# Altium PCB Fuel_Dispenser_Controller_V1.0.0.PcbDoc (part 1 of 4) (continued)
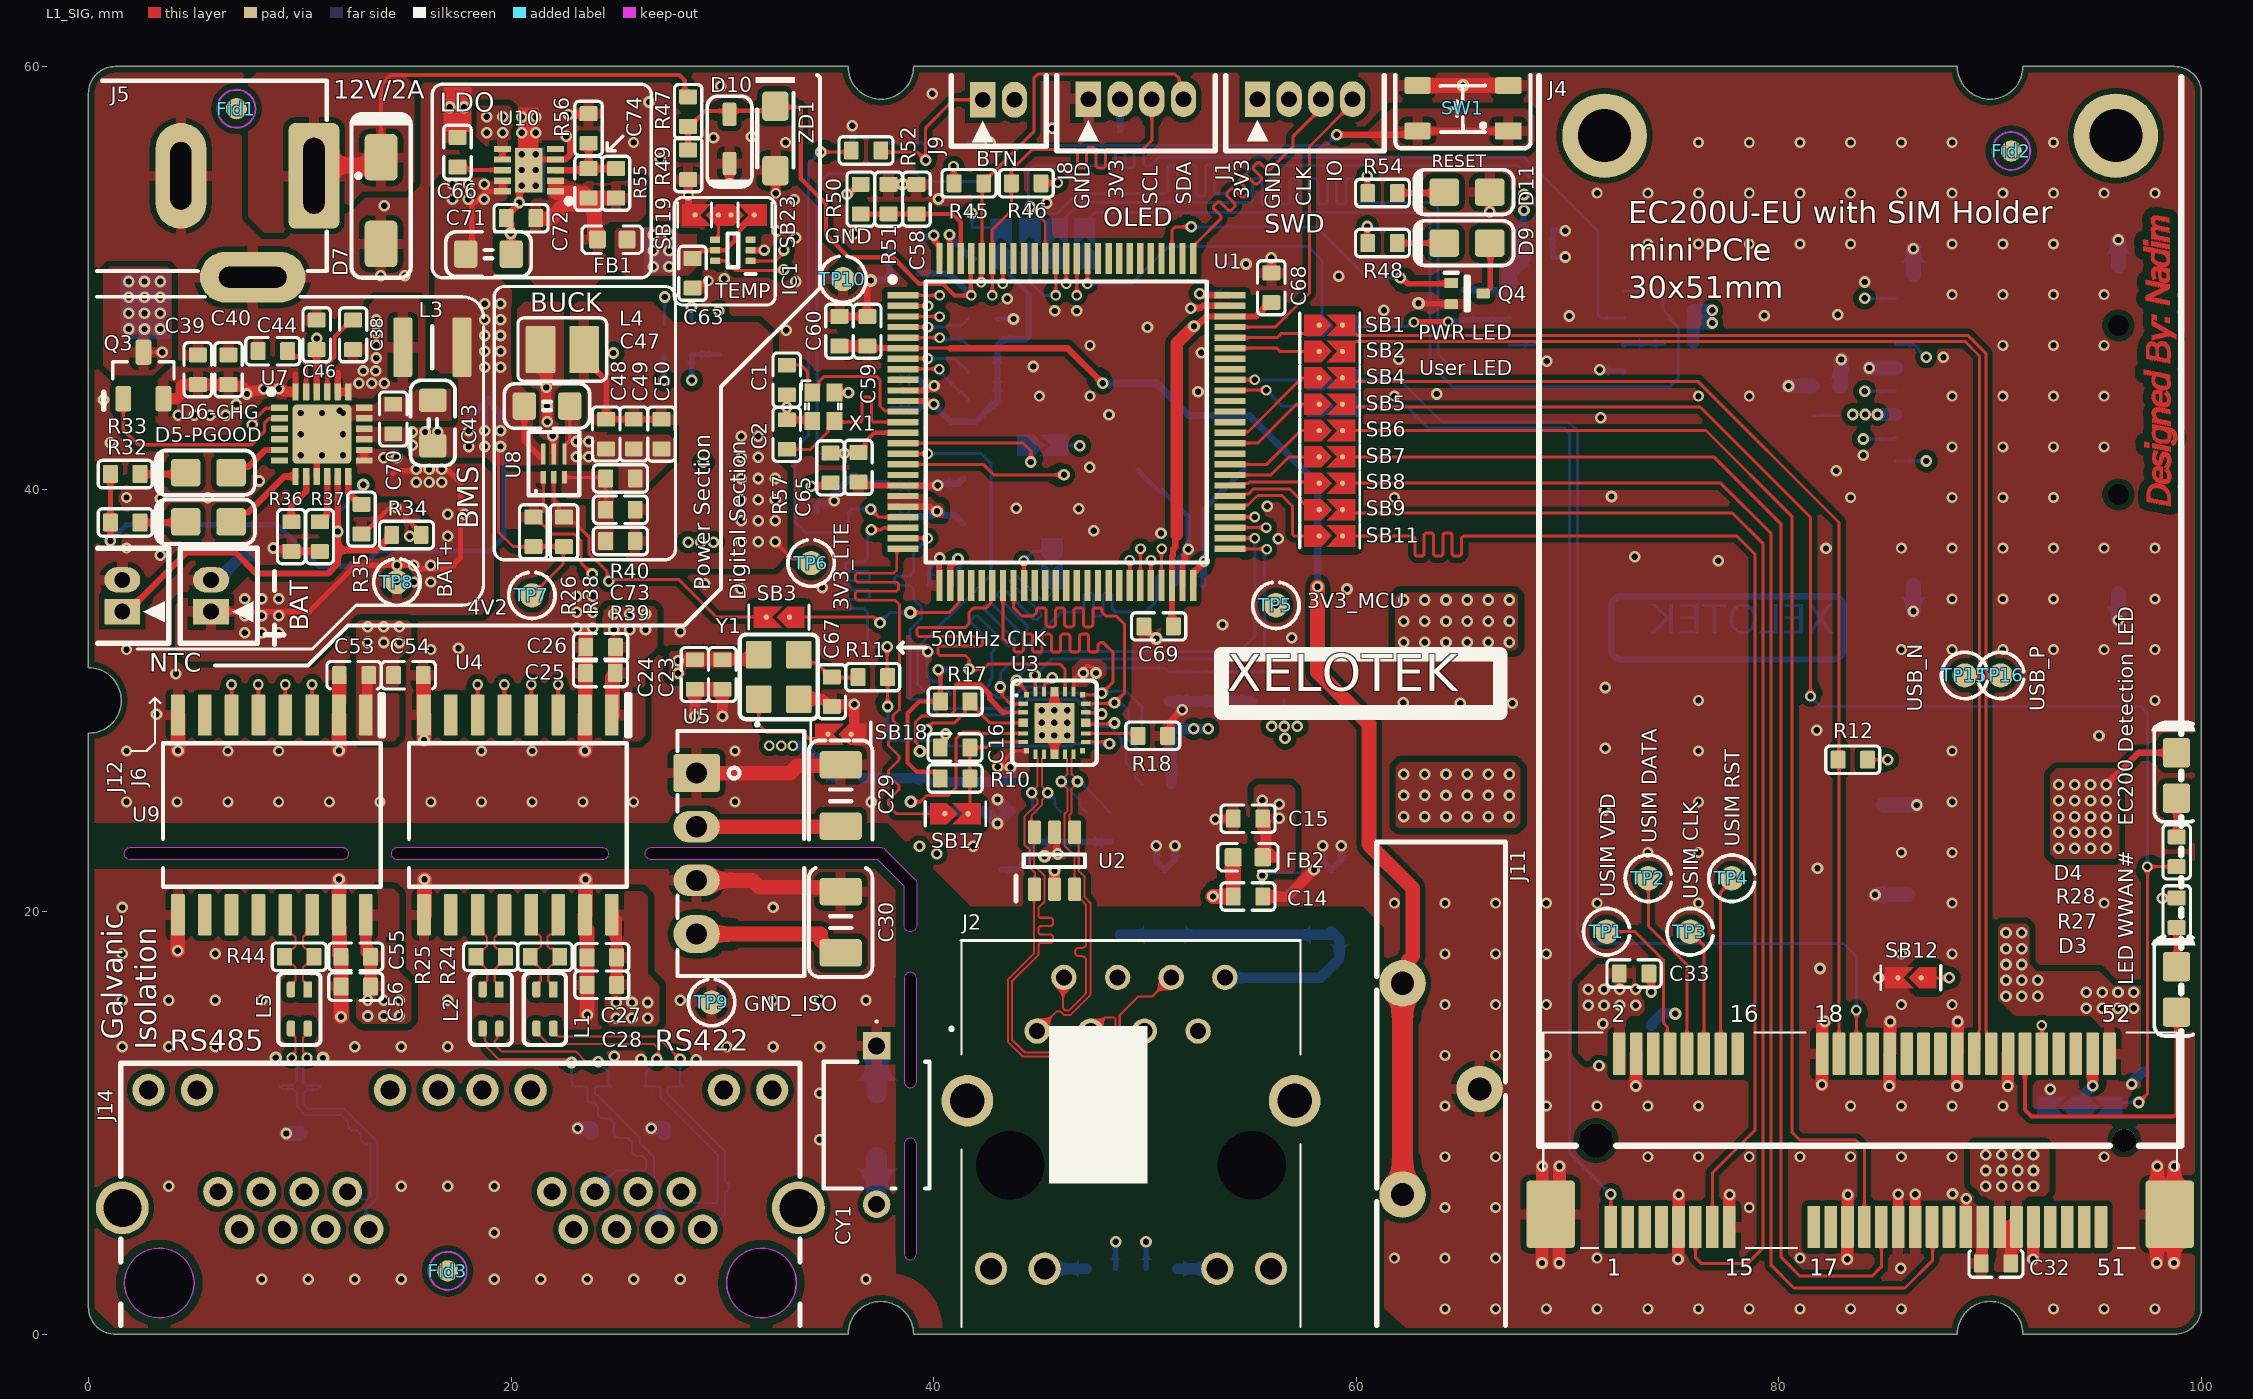
[diagram p0: L1_SIG view]
## Classes and differential pairs
net class I2C1_CLASS: I2C1_SCL I2C1_SDA
net class ETH_CLASS_100: RX_4_N RX_4_P TX_4_N TX_4_P
net class RS485_CLASS: MOD_6_N MOD_6_P MOD_O_6_N MOD_O_6_P MOD_RX_7_N MOD_RX_7_P MOD_RX_O_7_N MOD_RX_O_7_P MOD_TX_7_N MOD_TX_7_P MOD_TX_O_7_N MOD_TX_O_7_P
net class SPI2_CLASS: SPI2_MISO SPI2_MOSI SPI2_SCK uSD_CS uSD_DETECT
net class ETH_RMII_CLASS_50: RMII_CRS_DV RMII_MDC RMII_MDIO RMII_RXD0 RMII_RXD1 RMII_RXER_GPIO RMII_TX_EN RMII_TXD0 RMII_TXD1
differential pair class ETH_DIFFPAIR_CLASS_100: RX_4 TX_4
net class USB_EC200_CLASS: USB_D_N USB_D_P
differential pair class USB_EC200_Diff90: USB_D
differential pair class DIFFPAIR_CLASS_120: MOD_6 MOD_O_6 MOD_RX_7 MOD_RX_O_7 MOD_TX_7 MOD_TX_O_7
net class SPI1_CLASS: SPI1_FLASH_CS SPI1_MISO SPI1_MOSI SPI1_SCK
component class U_Peripherals: C57 C59 C60 C61 C62 C63 C64 C65 D9 D10 D11 D12 D13 D18 D21 Fid1 Fid2 Fid3 Fid4 Fid5 Fid6 HW1 HW2 IC1 J8 J9 J10 J11 Mec1 Mec2 Q4 R45 R46 R47 R48 R49 R52 R53 R54 R57 SB19 SB23 SW1 TP5 TP6 TP7 TP8 TP10 ZD1
component class U_RS485_MODBUS: C53 C54 C55 C56 D8 J14 L5 R41 R42 R43 R44 TP9 TP11 TP12 U9
component class U_RS422_point_to_point: C25 C26 C27 C28 C29 C30 CY1 D1 D2 L1 L2 R19 R20 R21 R22 R23 R24 R25 TP13 TP14 U4 U5
component class U_Power_Board: C38 C39 C40 C41 C42 C43 C44 C45 C46 C47 C48 C49 C50 C58 C66 C70 C71 C72 C73 C74 C75 D5 D6 D7 FB1 J5 J6 J12 L3 L4 Q3 R14 R26 R32 R33 R34 R35 R36 R37 R38 R39 R40 R50 R51 R55 R56 SB3 U7 U8 U10
component class U_NOR_FLASH: C36 C37 R29 R30 R31 SB15 U6
component class U_miniPCIe_EC200U: C31 C32 C33 C34 C35 D3 D4 J4 Mec3 Mec4 Mec5 R12 R27 R28 SB12 SB21 SB22 TP1 TP2 TP3 TP4 TP15 TP16
component class U_MCU: C1 C2 C3 C4 C5 C6 C7 C8 C9 C10 C11 C12 C68 C69 C79 HW? J1 Mec1 Mec2 R1 SB1 SB2 SB4 SB5 SB6 SB7 SB8 SB9 SB10 SB11 SB13 SB14 SB25 SB26 SB27 SB28 U1 X1
component class U_Ethernet: C13 C14 C15 C16 C17 C18 C19 C20 C21 C22 C23 C24 C51 C52 C67 C76 C77 C78 FB2 FB3 FB4 J2 R2 R3 R4 R5 R6 R7 R8 R9 R10 R11 R13 R15 R16 R17 R18 SB16 SB17 SB18 U2 U3 Y1
differential pair USB_D: +USB_D_P -USB_D_N
differential pair TX_4: +TX_4_P -TX_4_N
differential pair RX_4: +RX_4_P -RX_4_N
differential pair MOD_TX_O_7: +MOD_TX_O_7_P -MOD_TX_O_7_N
differential pair MOD_TX_7: +MOD_TX_7_P -MOD_TX_7_N
differential pair MOD_RX_O_7: +MOD_RX_O_7_P -MOD_RX_O_7_N
differential pair MOD_RX_7: +MOD_RX_7_P -MOD_RX_7_N
differential pair MOD_O_6: +MOD_O_6_P -MOD_O_6_N
differential pair MOD_6: +MOD_6_P -MOD_6_N

## Components (designator, comment, footprint, x,y, rotation, side; value= is the part's Value field where it differs from the comment)
C1 "CL10C5R6CB8NNNC" 0603-CAP 33.05,45.16 r270 top
C2 "CL10C5R6CB8NNNC" 0603-CAP 33.05,42.58 r90 top
C3 "CL10B104KC8NNNC" 0603-CAP 37.97,39.41 r270 bottom
C4 "CL10B105KA8NNNC" 0603-CAP 39.28,39.42 r270 bottom
C5 "CL10A475KA8NQNC" 0603-CAP 39.28,44.49 r270 bottom
C6 "CL10B104KC8NNNC" 0603-CAP 54.02,49.92 r270 bottom
C7 "CL10B104KC8NNNC" 0603-CAP 52.04,35.44 r0 bottom
C8 "CL10B104KC8NNNC" 0603-CAP 40.5,35.49 r0 bottom
C9 "CL10B104KC8NNNC" 0603-CAP 37.97,44.49 r270 bottom
C10 "CL10B104KC8NNNC" 0603-CAP 38.62,51.5 r0 bottom
C11 "CL21A476MPYNNWE" 0805-CAP 41.41,39.43 r270 bottom
C12 "TAJC107K010RNJ" CASE-C-6032 52.17,40.92 r180 bottom
C13 "CL10B104KC8NNNC" 0603-CAP 43.01,22.5 r270 bottom
C14 "CL10B104KC8NNNC" 0603-CAP 54.875,20.713 r180 top locked
C15 "CL10B104KC8NNNC" 0603-CAP 54.875,24.4 r0 top
C16 "CL10B104KC8NNNC" 0603-CAP 41.015,27.765 r0 top
C17 "CL10B103KC8WPNC" 0603-CAP 51.12,30.65 r90 bottom
C18 "CL10B104KC8NNNC" 0603-CAP 52.437,30.65 r90 bottom
C19 "CL10B471KB8NNNC" 0603-CAP 43.63,25.45 r90 bottom
C20 "CL10B105KA8NNNC" 0603-CAP 41.093,25.45 r90 bottom
C21 "CL10A106MA8NRNC" 0603-CAP 39.81,25.45 r90 bottom
C22 "CL10A106MA8NRNC" 0603-CAP 55.07,30.65 r90 bottom
C23 "CL10B104KC8NNNC" 0603-CAP 30,31.225 r90 top
C24 "CL10A106MA8NRNC" 0603-CAP 28.7,31.225 r90 top
C25 "CL10B104KC8NNNC" 0603-CAP 24.23,31.295 r0 top locked
C26 "CL10A106MA8NRNC" 0603-CAP 24.24,32.515 r0 top
C27 "CL10B104KC8NNNC" 0603-CAP 24.295,17.84 r0 top locked
C28 "CL10A106MA8NRNC" 0603-CAP 24.295,16.538 r0 top locked
C29 "CL31B475KBHNNNE" 1206-CAP 35.6,25.5 r270 top
C30 "CL31A106KBHNNNE" 1206-CAP 35.6,19.5 r270 top
C31 "TAJC107K010RNJ" CASE-C-6032 88.625,20.8 r180 bottom
C32 "CL10B104KC8NNNC" 0603-CAP 90.275,3.35 r0 top
C33 "CL10C330JB8NNNC" 0603-CAP 73.15,17.07 r180 top
C34 "CL10C100JB8NNNC" 0603-CAP 97.3,13.12 r90 bottom
C35 "TAJD227K010RNJ" CASE-D-7343 88.05,25.05 r180 bottom
C36 "CL10A105KB8NNNC" 0603-CAP 68.593,52.255 r180 bottom
C37 "CL10B104KB8NNNC" 0603-CAP 68.593,50.963 r180 bottom
C38 "CL10B473KB8NNNC" 0603-CAP 12.525,47.3 r270 top
C39 "CL10A106MA8NRNC" 0603-CAP 5.175,45.65 r270 top
C40 "CL10B104KC8NNNC" 0603-CAP 6.625,45.65 r270 top
C41 "TAJD227K010RNJ" CASE-D-7343 22.03,44.27 r0 bottom
C42 "TAJD227K010RNJ" CASE-D-7343 25.89,39.21 r0 bottom
C43 "CL21A226MAQNNNE" 0805-CAP 16.3,43.125 r270 top
C44 "CL10A106MA8NRNC" 0603-CAP 8.725,46.525 r0 top
C45 "CL10A106MA8NRNC" 0603-CAP 7.87,36.21 r270 bottom
C46 "CL10A475KA8NQNC" 0603-CAP 10.8,47.3 r270 top
C47 "CL21A106KAYNNNE" 0805-CAP 21.7,43.927 r180 top
C48 "CL10A106MA8NRNC" 0603-CAP 24.5,42.602 r90 top
C49 "CL10A106MA8NRNC" 0603-CAP 25.807,42.602 r90 top
C50 "CL10A106MA8NRNC" 0603-CAP 27.12,42.6 r90 top
C51 "CL10B105KA8NNNC" 0603-CAP 53.753,30.65 r90 bottom
C52 "CL10B104KC8NNNC" 0603-CAP 42.377,25.45 r90 bottom
C53 "CL10B104KC8NNNC" 0603-CAP 12.57,31.19 r0 top
C54 "CL10A106MA8NRNC" 0603-CAP 15.14,31.19 r180 top
C55 "CL10B104KC8NNNC" 0603-CAP 12.65,17.865 r0 top locked
C56 "CL10A106MA8NRNC" 0603-CAP 12.65,16.45 r0 top locked
C57 "CL10B104KC8NNNC" 0603-CAP 38.62,50.2 r0 bottom
C58 "CL10B104KC8NNNC" 0603-CAP 39.19,53.72 r270 top
C59 "CL10B104KC8NNNC" 0603-CAP 36.86,47.47 r270 top
C60 "CL10B105KA8NNNC" 0603-CAP 35.54,47.47 r270 top
C61 "CL10B104KC8NNNC" 0603-CAP 36.23,39.93 r270 bottom
C62 "CL10B104KC8NNNC" 0603-CAP 82.86,44.19 r270 bottom
C63 "CL10B104KC8NNNC" 0603-CAP 28.59,50.21 r90 top
C64 "CL10A106MA8NRNC" 0603-CAP 81.6,44.18 r270 bottom
C65 "CL10B104KC8NNNC" 0603-CAP 36.44,41.029 r90 top
C66 "CL10B103KC8WPNC" 0603-CAP 17.463,55.942 r270 top
C67 "CL10C150JB8NNNC" 0603-CAP 35.18,30.41 r90 top locked
C68 "CL10A225KO8NNNC" 0603-CAP 55.98,49.53 r270 top
C69 "CL10A225KO8NNNC" 0603-CAP 50.65,33.5 r0 top locked
C70 "CL10A106MA8NRNC" 0603-CAP 14.425,43.313 r270 top locked
C71 "CL21A226MAQNNNE" 0805-CAP 18.93,51.12 r180 top
C72 "CL10A106MA8NRNC" 0603-CAP 20.47,52.82 r0 top
C73 "CL10C121JB81PNC" 0603-CAP 25.175,39.02 r0 top
C74 "CL10B103KC8WPNC" 0603-CAP 23.67,54.47 r270 top locked
C75 "CL10A105KB8NNNC" 0603-CAP 10.51,44.85 r180 bottom
C76 "CL10B105KA8NNNC" 0603-CAP 54.85,20.72 r180 bottom
C77 "CL31B102KGFNNNE" 1206-CAP 58.81,20.53 r270 bottom
C78 "CL31B102KGFNNNE" 1206-CAP 50.94,20.53 r270 bottom
C79 "CL10B104KC8NNNC" 0603-CAP 48.04,56.91 r0 bottom
CY1 "G08F1E222MN0B0S0N0" CAP_SAFETY_P7.5MM 37.3,9.9 r270 top locked
D1 "SM712(UMW)" SOT-23-3 27.24,10.62 r0 bottom locked
D2 "SM712(UMW)" SOT-23-3 23.79,10.62 r0 bottom locked
D3 "LTST-C170KRKT" 0805-LED-RED 98.82,16.32 r270 top
D4 "LTST-C170KGKT" 0805-LED-BLUE 98.82,26.445 r270 top
D5 "LTST-C170KGKT" 0805-LED-BLUE 5.675,38.45 r0 top locked
D6 "LTST-C170KRKT" 0805-LED-RED 5.675,40.775 r0 top
D7 "SMAJ15CA" "SMA (DO-214AC)" 13.85,53.65 r270 top
D8 "SM712(UMW)" SOT-23-3 10.01,10.62 r0 bottom locked
D9 "LTST-C170KGKT" 0805-LED-BLUE 65.242,51.64 r0 top
D10 "UDD32C03L01" SOD-323-2 30.343,56.571 r90 top
D11 "LTST-C170KRKT" 0805-LED-RED 65.242,54.054 r0 top
D12 "PESD5V0S1BBN" "SOD-523 SOD2512X110N" 40.52,56.4 r0 bottom
D13 "PESD5V0S1BBN" "SOD-523 SOD2512X110N" 34.477,40.08 r270 bottom
FB1 "BLM18KG601SN1D" "Ferrite Beads 0603" 24.788,51.805 r0 top
FB2 "BLM18KG601SN1D" "Ferrite Beads 0603" 54.875,22.575 r0 top
FB3 "BLM18KG601SN1D" "Ferrite Beads 0603" 35.98,26.32 r180 bottom
FB4 "BLM18KG601SN1D" "Ferrite Beads 0603" 56.57,30.63 r270 bottom
Fid1 "Fiducials" Fiducials 7,58 r0 top
Fid2 "Fiducials" Fiducials 91,56 r0 top
Fid3 "Fiducials" Fiducials 17,3 r0 top
Fid4 "Fiducials" Fiducials 7,58 r180 bottom
Fid5 "Fiducials" Fiducials 17,3 r180 bottom
Fid6 "Fiducials" Fiducials 91,56 r180 bottom
IC1 "TMP102AIDRLR" SOT-563 30.5,51.3 r180 top locked
J1 "SWD" "JST 4P 1.5MM VERTICAL" 57.575,58.45 r0 top locked
J2 "HR911105A" HR911105A 44.895,14.35 r180 top locked
J4 "1775862-2" "MINI PCIE 52P 67910-5700" 83.85,9.175 r0 top locked
J5 "DC-005 2.0" "DC JACK" 4.125,54.825 r270 top locked
J6 "BAT" "JST 2P 1.5MM VERTICAL" 5.8,34.95 r90 top
J8 "OLED" "JST 4P 1.5MM VERTICAL" 49.575,58.45 r0 top locked
J9 "BTN" "JST 2P 1.5MM VERTICAL" 43.076,58.425 r0 top locked
J10 "TF-01A" TF-01A 92.77,42.79 r270 bottom locked
J11 "BS-05-A1BJ001" BAT-TH_BS-05-A1BJ001 64.015,11.61 r270 top locked
J12 "NTC" "JST 2P 1.5MM VERTICAL" 1.6,34.95 r90 top locked
J14 "KH-56-8P8C-1X2-D" RJ45-TH_KH-56-8P8C-1X2-D 17.6,8.26 r0 top locked
L1 "DLW21SZ900HQ2L" FILTER-SMD_4P-L2.0-W1.2-BL_DLW21H 21.6,15.393 r180 top locked
L2 "DLW21SZ900HQ2L" FILTER-SMD_4P-L2.0-W1.2-BL_DLW21H 19.05,15.393 r180 top locked
L3 "1277AS-H-1R0M=P2" IND-1210 16.275,46.71 r0 top
L4 "FTC252012SR47MBCA" "IND SMD,2X2.5MM" 22.425,46.602 r0 top
L5 "DLW21SZ900HQ2L" FILTER-SMD_4P-L2.0-W1.2-BL_DLW21H 9.982,15.393 r180 top locked
Q3 "SI2306A" SOT-23-3 2.6,45.375 r0 top locked
Q4 "DTC043ZEBTL" SOT-416FL 65.25,49.25 r270 top locked
R1 "0603WAF1002T5E" 0603-RES 41.9,51.6 r270 bottom
R2 "0603WAF1002T5E" 0603-RES 50.55,28.65 r0 bottom
R3 "0603WAF1002T5E" 0603-RES 50.55,27.35 r0 bottom
R4 "0603WAF1002T5E" 0603-RES 41.5,31.55 r180 bottom
R5 "0603WAF2201T5E" 0603-RES 50.55,26.05 r0 bottom
R6 "0603WAF499JT5E" 0603-RES 44.88,24.01 r270 bottom
R7 "0603WAF499JT5E" 0603-RES 46.03,24.01 r270 bottom
R8 "0603WAF499JT5E" 0603-RES 47.21,24.01 r270 bottom
R9 "0603WAF499JT5E" 0603-RES 48.39,24.01 r270 bottom
R10 "0603WAF1002T5E" 0603-RES 41.015,26.3 r180 top
R11 "0603WAF330JT5E" 0603-RES 37.12,31.1 r0 top locked
R12 "0603WAF1002T5E" 0603-RES 83.5,27.19 r0 top
R13 "0603WAF1002T5E" 0603-RES 41.5,30.25 r0 bottom
R14 "0603WAF1002T5E" 0603-RES 11.786,38.207 r90 bottom
R15 "0603WAF1001T5E" 0603-RES 47.9,3.11 r180 bottom
R16 "0603WAF1001T5E" 0603-RES 50.77,3.11 r0 bottom
R17 "0603WAF1002T5E" 0603-RES 41.02,29.95 r180 top
R18 "0603WAF6491T5E" 0603-RES 50.37,28.32 r180 top locked
R19 "1206W4F1004T5E" 1206-RES 37.325,9.925 r270 bottom locked
R20 "0603WAF1002T5E" 0603-RES 42.32,48.04 r0 bottom
R21 "0603WAF1002T5E" 0603-RES 42.32,46.73 r0 bottom
R22 "0603WAF1002T5E" 0603-RES 42.32,45.52 r0 bottom
R23 "0603WAF1002T5E" 0603-RES 42.32,44.21 r0 bottom
R24 "0603WAF1200T5E" 0603-RES 21.605,17.865 r0 top locked
R25 "0603WAF1200T5E" 0603-RES 19.035,17.865 r0 top locked
R26 "0603WAF1002T5E" 0603-RES 21.055,37.977 r270 top
R27 "0603WAF1001T5E" 0603-RES 98.83,19.95 r90 top locked
R28 "0603WAF1001T5E" 0603-RES 98.83,22.83 r90 top locked
R29 "0603WAF1002T5E" 0603-RES 75.25,46.96 r0 bottom
R30 "0603WAF1002T5E" 0603-RES 75.25,48.44 r0 bottom
R31 "0603WAF1002T5E" 0603-RES 65.09,48.72 r90 bottom
R32 "0603WAF1001T5E" 0603-RES 1.74,38.42 r180 top
R33 "0603WAF1001T5E" 0603-RES 1.74,40.71 r180 top
R34 "0603WAF1002T5E" 0603-RES 15.05,37.825 r180 top
R35 "0603WAF4702T5E" 0603-RES 12.925,38.575 r90 top locked
R36 "0603WAF1600T5E" 0603-RES 9.6,37.75 r90 top
R37 "0603WAF6800T5E" 0603-RES 10.95,37.75 r90 top
R38 "0603WAF1003T5E" 0603-RES 22.505,37.977 r270 top
R39 "0603WAF4533T5E" 0603-RES 25.174,37.539 r0 top
R40 "0603WAF1003T5E" 0603-RES 25.175,40.502 r180 top
R41 "0603WAF1002T5E" 0603-RES 27.24,47.07 r270 bottom
R42 "0603WAF1002T5E" 0603-RES 28.55,47.07 r270 bottom
R43 "0603WAF1002T5E" 0603-RES 29.86,47.07 r270 bottom
R44 "0603WAF1200T5E" 0603-RES 9.975,17.865 r0 top locked
R45 "0603WAF1002T5E" 0603-RES 41.67,54.47 r180 top locked
R46 "0603WAF1002T5E" 0603-RES 44.38,54.47 r0 top
R47 "0603WAF3302T5E" 0603-RES 28.38,57.86 r90 top locked
R48 "0603WAF1001T5E" 0603-RES 61.242,51.64 r180 top
R49 "0603WAF3301T5E" 0603-RES 28.38,55.35 r90 top
R50 "0603WAF1002T5E" 0603-RES 36.55,53.72 r90 top
R51 "0603WAF2002T5E" 0603-RES 37.87,53.72 r270 top
R52 "0603WAF3300T5E" 0603-RES 36.8,56.025 r0 top locked
R53 "0603WAF1003T5E" 0603-RES 36.825,56.4 r0 bottom locked
R54 "0603WAF1001T5E" 0603-RES 61.242,54.01 r180 top
R55 "0603WAF3571T5E" 0603-RES 24.97,54.47 r270 top
R56 "0603WAF1131T5E" 0603-RES 23.67,57.07 r270 top
R57 "0603WAF1002T5E" 0603-RES 35.122,41.003 r270 top
SB1 "0603WAF0000T5E" SOLDER-BRIDGE_R0603-0R 58.75,47.76 r0 top
SB2 "0603WAF0000T5E" SOLDER-BRIDGE_R0603-0R 58.75,46.512 r0 top
SB3 "0603WAF0000T5E" SOLDER-BRIDGE_R0603-0R 32.68,33.94 r180 top
SB4 "0603WAF0000T5E" SOLDER-BRIDGE_R0603-0R 58.75,45.265 r0 top
SB5 "0603WAF0000T5E" SOLDER-BRIDGE_R0603-0R 58.75,44.017 r0 top
SB6 "0603WAF0000T5E" SOLDER-BRIDGE_R0603-0R 58.75,42.77 r0 top
SB7 "0603WAF0000T5E" SOLDER-BRIDGE_R0603-0R 58.75,41.522 r0 top
SB8 "0603WAF0000T5E" SOLDER-BRIDGE_R0603-0R 58.75,40.275 r0 top
SB9 "0603WAF0000T5E" SOLDER-BRIDGE_R0603-0R 58.75,39.027 r0 top
SB10 "0603WAF0000T5E" SOLDER-BRIDGE_R0603-0R 45.16,42.07 r0 bottom
SB11 "0603WAF0000T5E" SOLDER-BRIDGE_R0603-0R 58.75,37.78 r0 top
SB12 "0603WAF0000T5E" SOLDER-BRIDGE_R0603-0R 86.24,16.87 r180 top
SB13 "0603WAF0000T5E" SOLDER-BRIDGE_R0603-0R 58.86,45.18 r0 bottom
SB14 "0603WAF0000T5E" SOLDER-BRIDGE_R0603-0R 58.86,43.92 r0 bottom
SB15 "0603WAF0000T5E" SOLDER-BRIDGE_R0603-0R 58.86,47.7 r0 bottom
SB16 "0603WAF0000T5E" SOLDER-BRIDGE_R0603-0R 45.6,36.46 r270 bottom
SB17 "0603WAF0000T5E" SOLDER-BRIDGE_R0603-0R 41.03,24.635 r0 top
SB18 "0603WAF0000T5E" SOLDER-BRIDGE_R0603-0R 35.6,28.4 r180 top
SB19 "0603WAF0000T5E" SOLDER-BRIDGE_R0603-0R 29.31,52.97 r180 top
SB21 "0603WAF0000T5E" SOLDER-BRIDGE_R0603-0R 95.05,10.74 r0 bottom
SB22 "0603WAF0000T5E" SOLDER-BRIDGE_R0603-0R 93.44,10.74 r180 bottom
SB23 "0603WAF0000T5E" SOLDER-BRIDGE_R0603-0R 30.91,52.97 r0 top
SB25 "0603WAF0000T5E" SOLDER-BRIDGE_R0603-0R 43.2,51.6 r90 bottom locked
SB26 "0603WAF0000T5E" SOLDER-BRIDGE_R0603-0R 44.56,51.61 r90 bottom locked
SB27 "0603WAF0000T5E" SOLDER-BRIDGE_R0603-0R 45.855,51.61 r90 bottom locked
SB28 "0603WAF0000T5E" SOLDER-BRIDGE_R0603-0R 47.15,51.61 r90 bottom locked
SW1 "RESET" "SW TACTILE 4P" 65.05,58.027 r180 top locked
TP1 "USIM VDD" "Test Pad FP" 71.85,19.05 r0 top
TP2 "USIM DATA" "Test Pad FP" 73.827,21.58 r0 top
TP3 "USIM CLK" "Test Pad FP" 75.803,19.05 r0 top
TP4 "USIM RST" "Test Pad FP" 77.78,21.58 r0 top
TP5 "3V3_MCU" "Test Pad FP" 56.2,34.5 r90 top
TP6 "3V3_LTE" "Test Pad FP" 34.2,36.5 r90 top
TP7 "4V2" "Test Pad FP" 20.99,34.97 r90 top
TP8 "BAT+" "Test Pad FP" 14.6,35.6 r90 top
TP9 "GND_ISO" "Test Pad FP" 29.492,15.7 r90 top
TP10 "GND" "Test Pad FP" 35.709,49.938 r90 top
TP11 "RO" "Test Pad FP" 10.58,30.767 r90 bottom
TP12 "DI" "Test Pad FP" 6.77,30.767 r90 bottom
TP13 "RO" "Test Pad FP" 22.225,30.767 r90 bottom
TP14 "DI" "Test Pad FP" 18.415,30.75 r180 bottom
TP15 "USB_N" "Test Pad FP" 88.8,31.18 r0 top
TP16 "USB_P" "Test Pad FP" 90.5,31.18 r0 top
U1 "STM32H753VIT6" LQFP-100(14x14) 46.28,43.168 r0 top locked
U2 "USBLC6-4SC6" SOT-23-6 45.719,22.41 r90 top
U3 "DP83825IRMQR" HVQFN-24-EP(3X3) 45.719,28.935 r0 top locked
U4 "ISO1410DWR" SOIC-16-300MIL 20.325,24.575 r270 top locked
U5 "B0303S-1WR3" "EVISUN B0303S-1WR3" 28.78,22.75 r270 top locked
U6 "W25Q128JVSIQ" SOIC-8N 69.95,47.46 r180 bottom locked
U7 "BQ25616RTWR" QFN-24-EP(4X4) 11.05,42.6 r0 top locked
U8 "TPS62827DMQR" "VSON-6(1.5X1.5) - TPS62826DMQR" 22.025,41.202 r90 top
U9 "ISO1410DWR" SOIC-16-300MIL 8.68,24.575 r270 top locked
U10 "TPS7A9101DSKR" SON-10-EP(2.5x2.5) 20.845,55.095 r180 top
X1 "NX2016SA-25MHZ" CRY_SMD2016-4P_NX2016SA 34.78,43.9 r270 top
Y1 "OT2EL4C4JI-111OLP-50M" SMD3225-4P 32.67,31.11 r90 top
ZD1 "BZT52C3V3" SOD-123F-2 32.51,56.593 r270 top

## Footprints (in the part's own frame and the unit in brackets; to place one, negate y for a bottom-side part, rotate by r counter-clockwise, add the part's x,y. Pads: shape width x height; smd on the part's side, far side on the other; paste and mask are expansions set on the pad)
0603-CAP [mm]
  rrect15% 0.7x0.85 smd mask+0.038: 1(-0.7,0) 2(0.7,0)
  silkscreen extent -1.28,-0.65 1.28,0.65, body extent -0.8,-0.4 0.8,0.4, height 0.9
0603-RES [mm]
  rrect15% 0.7x0.85 smd mask+0.038: 1(-0.7,0) 2(0.7,0)
  silkscreen extent -1.28,-0.65 1.28,0.65, body extent -0.9,-0.5 0.9,0.5, height 0.56
0805-CAP [mm] "0805-CAP"
  rrect25% 1.1x1.3 smd: 1(-1.075,0) 2(1.075,0)
  silkscreen extent -2.02,-1.05 2.02,1.05, body extent -1,-0.63 1,0.63, height 1.4
0805-LED-BLUE [mm] "0805-LED"
  rrect25% 1.4x1.3 smd: 1(-1.075,0) 2(1.075,0)
  silkscreen extent -2.5,-1.17 2.2,0.88, body extent -1,-0.63 1,0.63, height 0.4
0805-LED-RED [mm] "0805-LED"
  rrect25% 1.4x1.3 smd: 1(-1.075,0) 2(1.075,0)
  silkscreen extent -2.5,-1.17 2.2,0.88, body extent -1,-0.63 1,0.63, height 0.4
1206-CAP [mm] "1206-CAP"
  rrect25% 1.3x2 smd: 1(-1.45,0) 2(1.45,0)
  silkscreen extent -2.6,-1.5 2.1,1.5, body extent -1.6,-0.8 1.6,0.8, height 1
1206-RES [mm] "1206-RES"
  rrect25% 1.3x2 smd: 1(-1.5,0) 2(1.5,0)
  silkscreen extent -2.6,-1.5 2.6,1.5, body extent -1.6,-0.8 1.6,0.8, height 1
BAT-TH_BS-05-A1BJ001 [mm]
  round 2.2 hole 1.1: 1(-5,-1.825) 1(5,-1.825) 2(0,1.825)
  silkscreen extent -11.68,-3.05 11.18,3.05, body extent -11.45,-3.03 11.45,2.93, height 18.01
CAP_SAFETY_P7.5MM [mm]
  rect 1.3x1.3 hole 0.8: 1(-3.75,0)
  round 1.3 hole 0.8: 2(3.75,0)
  silkscreen extent -4.95,-2.5 3,2.5, body extent -4.21,-2.66 4.21,2.66, height 8
CASE-C-6032 [mm]
  rrect15% 2.2x2.3 smd: 1(-2.5,0) 2(2.5,0)
  silkscreen extent -3.6,-1.58 3,1.58, body extent -3,-1.58 3,1.58, height 2.8
CASE-D-7343 [mm]
  rrect15% 2.3x2.5 smd: 1(-3.1,0) 2(3.1,0)
  silkscreen extent -4.25,-2.17 3.65,2.17, body extent -3.65,-2.17 3.65,2.17, height 3.1
CRY_SMD2016-4P_NX2016SA [mm] "NX2016SA"
  rect 0.85x0.75 smd mask+0.05: 1(-0.675,-0.525) 2(0.675,-0.525) 3(0.675,0.525) 4(-0.675,0.525)
  silkscreen extent -1.23,-1.02 0.13,0.85, body extent -1.05,-0.85 1.05,0.85, height 0.7
"DC JACK" [mm]
  rrect25% 5x2.4 hole 1 slot 3.6 at 0 deg: 1(0,6.55)
  oval 5x2.4 hole 1 slot 3.2 at 0 deg: 2(0,0.25)
  oval 2.4x5 hole 1 slot 3.2 at 90 deg: 3(4.8,3.65)
  silkscreen extent -4.5,-3.72 4.5,8.75, body extent -4.5,-7.15 5.05,7.15, height 11
"EVISUN B0303S-1WR3" [mm] "SIP,11.7x6mm"
  rrect15% 1.8x2.2 hole 1: 1(-3.81,0)
  oval 1.5x2.2 hole 1: 2(-1.27,0) 3(1.27,0)
  oval 1.8x2.2 hole 1: 4(3.81,0)
  silkscreen extent -5.8,-0.9 5.8,5.1, body extent -5.8,-0.89 5.8,5.1, height 10.17
"Ferrite Beads 0603" [mm] "Ferrite Beads"
  rrect25% 0.8x0.864 smd paste-100 mask+0.051: 1(-0.7,0) 2(0.7,0)
  silkscreen extent -1.42,-0.65 1.42,0.65, body extent -0.8,-0.4 0.8,0.4, height 0.8
Fiducials [mm] "Fiducials"
  round 1 smd mask+0.5: ""(0,0)
FILTER-SMD_4P-L2.0-W1.2-BL_DLW21H [mm]
  rect 0.4x0.75 smd paste+0 mask+0.051: 1(-0.4,-0.925)
  rrect50% 0.4x0.75 smd paste+0 mask+0.051: 2(-0.4,0.925) 3(0.4,0.925) 4(0.4,-0.925)
  silkscreen extent -1,-1.7 1,1.7, body extent -0.6,-1 0.6,1, height 1.41
HR911105A [mm]
  round 1.2 hole 0.75: 1(0,0) 2(-1.27,-2.54) 3(-2.54,0) 4(-3.81,-2.54) 5(-5.08,0) 6(-6.35,-2.54) 7(-7.62,0) 8(-8.89,-2.54)
  round 1.53 hole 1.02: 9(2.18,11.25) 10(-0.36,11.25) 11(-8.53,11.25) 12(-11.07,11.25)
  round 2.445 hole 1.63: 13(3.3,3.3) 14(-12.19,3.3)
  round 1.625 hole 3.25 unplated: ""(-10.16,6.35) ""(1.27,6.35)
  silkscreen extent -12.46,-4.3 4.1,14, body extent -12.45,-4.33 3.55,17.28, height 1.01
HVQFN-24-EP(3X3) [mm]
  rect 0.45x0.2 smd mask+0.04: 1(-1.475,0.9) 2(-1.475,0.5) 4(-1.475,-0.5) 5(-1.475,-0.9) 13(1.475,-0.9) 14(1.475,-0.5) 16(1.475,0.5) 17(1.475,0.9)
  rect 0.45x0.4 smd mask+0.04: 3(-1.475,0) 15(1.475,0)
  rect 0.25x0.25 smd mask+0.04: 6(-1.325,-1.325) 12(1.325,-1.325) 18(1.325,1.325) 24(-1.325,1.325)
  rect 0.2x0.45 smd mask+0.04: 7(-0.9,-1.475) 8(-0.5,-1.475) 10(0.5,-1.475) 11(0.9,-1.475) 19(0.9,1.475) 20(0.5,1.475) 22(-0.5,1.475) 23(-0.9,1.475)
  rect 0.4x0.45 smd mask+0.04: 9(0,-1.475) 21(0,1.475)
  rect 1.9x1.9 smd mask+0.04: 25(0,0)
  silkscreen extent -2,-2 2,2, body extent -1.5,-1.5 1.5,1.5, height 0.8
"IND SMD,2X2.5MM" [mm]
  rrect10% 1.4x2.24 smd: 1(-1.03,0) 2(1.03,0)
  silkscreen extent -2.1,-1.5 2.1,1.5, body extent -1.3,-1.05 1.3,1.05, height 1
IND-1210 [mm]
  rrect15% 0.9x2.8 smd: 1(-1.4,0) 2(1.4,0)
  silkscreen extent 0,-1 0,1, body extent -1.6,-1.25 1.6,1.25, height 1.2
"JST 2P 1.5MM VERTICAL" [mm]
  rect 1.2x1.7 hole 0.75: 1(-0.75,0)
  oval 1.2x1.7 hole 0.75: 2(0.75,0)
  silkscreen extent -2.25,-2.2 2.25,1.45, body extent -2.25,-2.2 2.25,1.5, height 4.51
"JST 4P 1.5MM VERTICAL" [mm]
  rect 1.2x1.7 hole 0.75 paste+0 mask+0.051: 1(-2.25,0)
  oval 1.2x1.7 hole 0.75 paste+0 mask+0.051: 2(-0.75,0) 3(0.75,0) 4(2.25,0)
  silkscreen extent -3.75,-2.45 3.75,1.12, body extent -3.75,-2.2 3.75,1.5, height 4.51
LQFP-100(14x14) [mm]
  rrect10% 1.475x0.3 smd mask+0.04: 1(-7.738,6) 2(-7.738,5.5) 3(-7.738,5) 4(-7.738,4.5) 5(-7.738,4) 6(-7.738,3.5) 7(-7.738,3) 8(-7.738,2.5) 9(-7.738,2) 10(-7.738,1.5) 11(-7.738,1) 12(-7.738,0.5) 13(-7.738,0) 14(-7.738,-0.5) 15(-7.738,-1) 16(-7.738,-1.5) 17(-7.738,-2) 18(-7.738,-2.5) 19(-7.738,-3) 20(-7.738,-3.5) 21(-7.738,-4) 22(-7.738,-4.5) 23(-7.738,-5) 24(-7.738,-5.5) 25(-7.738,-6) 51(7.738,-6) 52(7.738,-5.5) 53(7.738,-5) 54(7.738,-4.5) 55(7.738,-4) 56(7.738,-3.5) 57(7.738,-3) 58(7.738,-2.5) 59(7.738,-2) 60(7.738,-1.5) 61(7.738,-1) 62(7.738,-0.5) 63(7.738,0) 64(7.738,0.5) 65(7.738,1) 66(7.738,1.5) 67(7.738,2) 68(7.738,2.5) 69(7.738,3) 70(7.738,3.5) 71(7.738,4) 72(7.738,4.5) 73(7.738,5) 74(7.738,5.5) 75(7.738,6)
  rrect10% 0.3x1.475 smd mask+0.04: 26(-6,-7.738) 27(-5.5,-7.738) 28(-5,-7.738) 29(-4.5,-7.738) 30(-4,-7.738) 31(-3.5,-7.738) 32(-3,-7.738) 33(-2.5,-7.738) 34(-2,-7.738) 35(-1.5,-7.738) 36(-1,-7.738) 37(-0.5,-7.738) 38(0,-7.738) 39(0.5,-7.738) 40(1,-7.738) 41(1.5,-7.738) 42(2,-7.738) 43(2.5,-7.738) 44(3,-7.738) 45(3.5,-7.738) 46(4,-7.738) 47(4.5,-7.738) 48(5,-7.738) 49(5.5,-7.738) 50(6,-7.738) 76(6,7.738) 77(5.5,7.738) 78(5,7.738) 79(4.5,7.738) 80(4,7.738) 81(3.5,7.738) 82(3,7.738) 83(2.5,7.738) 84(2,7.738) 85(1.5,7.738) 86(1,7.738) 87(0.5,7.738) 88(0,7.738) 89(-0.5,7.738) 90(-1,7.738) 91(-1.5,7.738) 92(-2,7.738) 93(-2.5,7.738) 94(-3,7.738) 95(-3.5,7.738) 96(-4,7.738) 97(-4.5,7.738) 98(-5,7.738) 99(-5.5,7.738) 100(-6,7.738)
  silkscreen extent -8.35,-6.65 6.65,6.87, body extent -8,-8 8,8, height 1.6
"MINI PCIE 52P 67910-5700" [mm] "67910-5700"
  rrect15% 0.6x2 smd mask+0.04: 1(-11.8,-4.1) 2(-11.4,4.1) 3(-11,-4.1) 4(-10.6,4.1) 5(-10.2,-4.1) 6(-9.8,4.1) 7(-9.4,-4.1) 8(-9,4.1) 9(-8.6,-4.1) 10(-8.2,4.1) 11(-7.8,-4.1) 12(-7.4,4.1) 13(-7,-4.1) 14(-6.6,4.1) 15(-6.2,-4.1) 16(-5.8,4.1) 17(-2.2,-4.1) 18(-1.8,4.1) 19(-1.4,-4.1) 20(-1,4.1) 21(-0.6,-4.1) 22(-0.2,4.1) 23(0.2,-4.1) 24(0.6,4.1) 25(1,-4.1) 26(1.4,4.1) 27(1.8,-4.1) 28(2.2,4.1) 29(2.6,-4.1) 30(3,4.1) 31(3.4,-4.1) 32(3.8,4.1) 33(4.2,-4.1) 34(4.6,4.1) 35(5,-4.1) 36(5.4,4.1) 37(5.8,-4.1) 38(6.2,4.1) 39(6.6,-4.1) 40(7,4.1) 41(7.4,-4.1) 42(7.8,4.1) 43(8.2,-4.1) 44(8.6,4.1) 45(9,-4.1) 46(9.4,4.1) 47(9.8,-4.1) 48(10.2,4.1) 49(10.6,-4.1) 50(11,4.1) 51(11.4,-4.1) 52(11.8,4.1)
  rrect15% 2.3x3.2 smd mask+0.04: 53(-14.65,-3.5) 54(14.65,-3.5)
  round 1.6 hole 1.6 unplated: 55(-12.5,0)
  round 1.1 hole 1.1 unplated: 56(12.5,0)
  round 4 hole 2.5: ""(-12.1,47.55) ""(12.1,47.55)
  silkscreen extent -15.2,-5.1 15.2,50.37, body extent -15,-5.1 15,50.45, height 7.05
QFN-24-EP(4X4) [mm]
  rrect15% 0.8x0.3 smd mask+0.04: 1(-2,1.25) 2(-2,0.75) 3(-2,0.25) 4(-2,-0.25) 5(-2,-0.75) 6(-2,-1.25) 13(2,-1.25) 14(2,-0.75) 15(2,-0.25) 16(2,0.25) 17(2,0.75) 18(2,1.25)
  rrect15% 0.3x0.8 smd mask+0.04: 7(-1.25,-2) 8(-0.75,-2) 9(-0.25,-2) 10(0.25,-2) 11(0.75,-2) 12(1.25,-2) 19(1.25,2) 20(0.75,2) 21(0.25,2) 22(-0.25,2) 23(-0.75,2) 24(-1.25,2)
  rrect15% 2.8x2.8 smd mask+0.04: 25(0,0)
  silkscreen extent -2.52,1.88 -2.27,2.12, body extent -2,-2 2,2, height 0.8
RJ45-TH_KH-56-8P8C-1X2-D [mm]
  round 1.4 hole 0.8: 1(-4.33,-3.295) 2(-5.35,-1.515) 3(-6.37,-3.295) 4(-7.39,-1.515) 5(-8.41,-3.295) 6(-9.43,-1.515) 7(-10.45,-3.295) 8(-11.47,-1.515) 13(11.47,-3.295) 14(10.45,-1.515) 15(9.43,-3.295) 16(8.41,-1.515) 17(7.39,-3.295) 18(6.37,-1.515) 19(5.35,-3.295) 20(4.33,-1.515)
  round 1.524 hole 0.89: 9(-1.04,3.295) 10(-3.33,3.295) 11(-12.47,3.295) 12(-14.76,3.295) 21(14.76,3.295) 22(12.47,3.295) 23(3.33,3.295) 24(1.04,3.295)
  round 2.5 hole 1.8: 25(-16,-2.275) 26(16,-2.275)
  Keep-Out Layer board cut-out: -12.6,-5.835 -12.763,-6.551 -13.221,-7.125 -13.883,-7.444 -14.617,-7.444 -15.279,-7.125 -15.737,-6.551 -15.9,-5.835 -15.9,-5.835 -15.737,-5.119 -15.279,-4.545 -14.617,-4.226 -13.883,-4.226 -13.221,-4.545 -12.763,-5.119 -12.6,-5.835
  Keep-Out Layer board cut-out: 15.9,-5.835 15.737,-6.551 15.279,-7.125 14.617,-7.444 13.883,-7.444 13.221,-7.125 12.764,-6.551 12.6,-5.835 12.6,-5.835 12.764,-5.119 13.221,-4.545 13.883,-4.226 14.617,-4.226 15.279,-4.545 15.737,-5.119 15.9,-5.835
  Keep-Out Layer circle w0.025: c-14.25,-5.835 r1.65
  Keep-Out Layer circle w0.025: c14.25,-5.835 r1.65
  Keep-Out Layer region: -12.6,-5.835 -12.763,-6.551 -13.221,-7.125 -13.883,-7.444 -14.617,-7.444 -15.279,-7.125 -15.737,-6.551 -15.9,-5.835 -15.9,-5.835 -15.737,-5.119 -15.279,-4.545 -14.617,-4.226 -13.883,-4.226 -13.221,-4.545 -12.763,-5.119 -12.6,-5.835
  Keep-Out Layer region: 15.9,-5.835 15.737,-6.551 15.279,-7.125 14.617,-7.444 13.883,-7.444 13.221,-7.125 12.764,-6.551 12.6,-5.835 12.6,-5.835 12.764,-5.119 13.221,-4.545 13.883,-4.226 14.617,-4.226 15.279,-4.545 15.737,-5.119 15.9,-5.835
  silkscreen extent -16.07,-7.83 16.07,4.57, body extent -16.12,-11.24 16.12,4.51, height 13.55
"SMA (DO-214AC)" [mm] "SMA (DO-214AC)"
  rrect30% 2.2x1.55 smd: 1(-2.05,0) 2(2.05,0)
  silkscreen extent -4.1,-1.4 3.65,1.4, body extent -2.55,-1.33 2.55,1.33, height 2.29
SMD3225-4P [mm] "ECS500847QCESTR"
  rrect10% 1.3x1.2 smd: 1(-1.05,0.95) 2(1.05,0.95) 3(1.05,-0.95) 4(-1.05,-0.95)
  silkscreen extent -2.3,-1.85 2,1.85, body extent -1.6,-1.25 1.6,1.25, height 0.71
SOD-123F-2 [mm] "SODFL3617X108N"
  rrect30% 1.4x1.25 smd: 1(-1.525,0) 2(1.525,0)
  silkscreen extent -2.92,-0.94 1.38,0.94, body extent -1.8,-0.86 1.8,0.86, height 1.08
SOD-323-2 [mm] "SOD-323-2"
  rrect25% 1.1x0.65 smd: 1(-1.162,0) 2(1.162,0)
  silkscreen extent -2.27,-1.05 2.02,1.05, body extent -1.25,-0.65 1.25,0.65, height 1.2
"SOD-523 SOD2512X110N" [mm]
  rect 1.1x0.5 smd: 1(-1.15,0) 2(1.15,0)
  silkscreen extent -1.7,-0.63 0.85,0.63, body extent -1.24,-0.62 1.24,0.63, height 0.93
SOIC-8N [mm] "SOIC127P600X175-8N"
  rrect25% 1.5x0.7 smd: 1(-2.712,1.905) 2(-2.712,0.635) 3(-2.712,-0.635) 4(-2.712,-1.905) 5(2.712,-1.905) 6(2.712,-0.635) 7(2.712,0.635) 8(2.712,1.905)
  silkscreen extent -3.47,-2.45 1.45,2.77, body extent -3,-2.45 3,2.45, height 1.75
SOIC-16-300MIL [mm]
  rrect15% 1.95x0.65 smd mask+0.04: 1(-4.725,4.445) 2(-4.725,3.175) 3(-4.725,1.905) 4(-4.725,0.635) 5(-4.725,-0.635) 6(-4.725,-1.905) 7(-4.725,-3.175) 8(-4.725,-4.445) 9(4.725,-4.445) 10(4.725,-3.175) 11(4.725,-1.905) 12(4.725,-0.635) 13(4.725,0.635) 14(4.725,1.905) 15(4.725,3.175) 16(4.725,4.445)
  silkscreen extent -5.7,-5.15 3.4,5.15, body extent -5.17,-5.15 5.17,5.15, height 2.59
SOLDER-BRIDGE_R0603-0R [mil]
  round 10 smd paste-393.7 mask+4: 1(-19.68,0) 2(23.62,0)
  L1_SIG region: -47.24,-19.69 -47.24,19.68 -15.75,19.68 3.94,0 -15.75,-19.69
  L1_SIG region: -5.91,19.68 13.78,0 -5.91,-19.69 47.24,-19.69 47.24,19.68
  silkscreen extent -56,-23 56,23, body extent -36,-20 36,20, height 22
SON-10-EP(2.5x2.5) [mm]
  rect 0.8x0.3 smd: 1(-1.25,1) 2(-1.25,0.5) 3(-1.25,0) 4(-1.25,-0.5) 5(-1.25,-1) 6(1.25,-1) 7(1.25,-0.5) 8(1.25,0) 9(1.25,0.5) 10(1.25,1)
  rect 1.3x2.1 smd: 11(0,0)
  silkscreen extent -2.02,1.34 -1.77,1.59, body extent -1.25,-1.25 1.25,1.25, height 0.77
SOT-23-3 [mm]
  rrect30% 0.75x1.2 smd: 1(-0.95,-1.1) 2(0.95,-1.1) 3(0,1.1)
  silkscreen extent -1.88,-1.6 1.45,0.65, body extent -1.45,-1.17 1.45,1.23, height 1.15
SOT-23-6 [mm] "SOT95P280X145-6N"
  rrect20% 1.1x0.6 smd paste+0: 1(-1.35,0.95) 2(-1.35,0) 3(-1.35,-0.95) 4(1.35,-0.95) 5(1.35,0) 6(1.35,0.95)
  silkscreen extent -1.92,-1.45 0.3,1.83, body extent -1.42,-1.46 1.42,1.46, height 1.25
SOT-416FL [mm]
  rect 0.47x0.64 smd: 1(-0.5,-0.75)
  rrect30% 0.47x0.64 smd: 2(0.5,-0.75) 3(0,0.75)
  silkscreen extent -0.98,-1.07 0.8,0.08, body extent -0.8,-0.8 0.8,0.8, height 0.71
SOT-563 [mm] "TMP102AIDRLR"
  rrect20% 0.475x0.3 smd: 1(-0.838,0.5) 2(-0.838,0) 3(-0.838,-0.5) 4(0.838,-0.5) 5(0.838,0) 6(0.838,0.5)
  silkscreen extent -1.07,-0.8 0.25,1.12, body extent -0.8,-0.8 0.8,0.8, height 0.6
"SW TACTILE 4P" [mm]
  rrect5% 1.25x0.8 smd: 1(-2.15,1.075)
  rrect25% 1.25x0.8 smd: 2(2.15,1.075) 3(-2.15,-1.075) 4(2.15,-1.075)
  silkscreen extent -3.2,-1.57 3.2,1.9, body extent -2.35,-1.65 2.35,1.65, height 2.5
"Test Pad FP" [mm]
  round 1.15 smd: 1(0,0)
  silkscreen extent -1.1,-1.1 1.08,1.1
TF-01A [mm]
  rect 0.7x1.3 smd: 1(2.56,7.25) 2(1.46,7.25) 3(0.36,7.25) 4(-0.74,7.25) 5(-1.84,7.25) 6(-2.94,7.25) 7(-4.04,7.25) 8(-5.14,7.25) CD1(-6.24,7.25)
  round 0.5 hole 1 unplated: 14(-4.95,-3.3) 15(3.05,-3.3)
  rect 1.2x1.4 smd: MP1(-7.34,6.4) MP4(7.34,6.4)
  rect 1.2x2 smd: MP2(-7.76,-3.3) MP3(7.76,-3.3)
  silkscreen extent -7.4,-7.25 7.4,8.5, body extent -7.69,-10.21 8.41,7.61, height 2.06
"VSON-6(1.5X1.5) - TPS62826DMQR" [mm]
  rrect20% 0.6x0.25 smd mask+0.04: 1(-0.65,0.5) 2(-0.65,0) 3(-0.65,-0.5)
  rrect20% 1x0.2 smd mask+0.04: 4(0.45,-0.5) 5(0.45,0) 6(0.45,0.5)
  silkscreen extent -1.5,-1.2 1.5,1.2, body extent -0.75,-0.75 0.75,0.75, height 1.1